# Altium PCB 充电_2020_8_2.PcbDoc
Units mil, origin at the board's own origin, x right, y up, seen from the top; angles counter-clockwise.
Board outline 2952.76 x 1968.5 mil, 2 copper layers (Top Layer, Bottom Layer); 72 components, 66 nets, 250 pads, 144 vias.
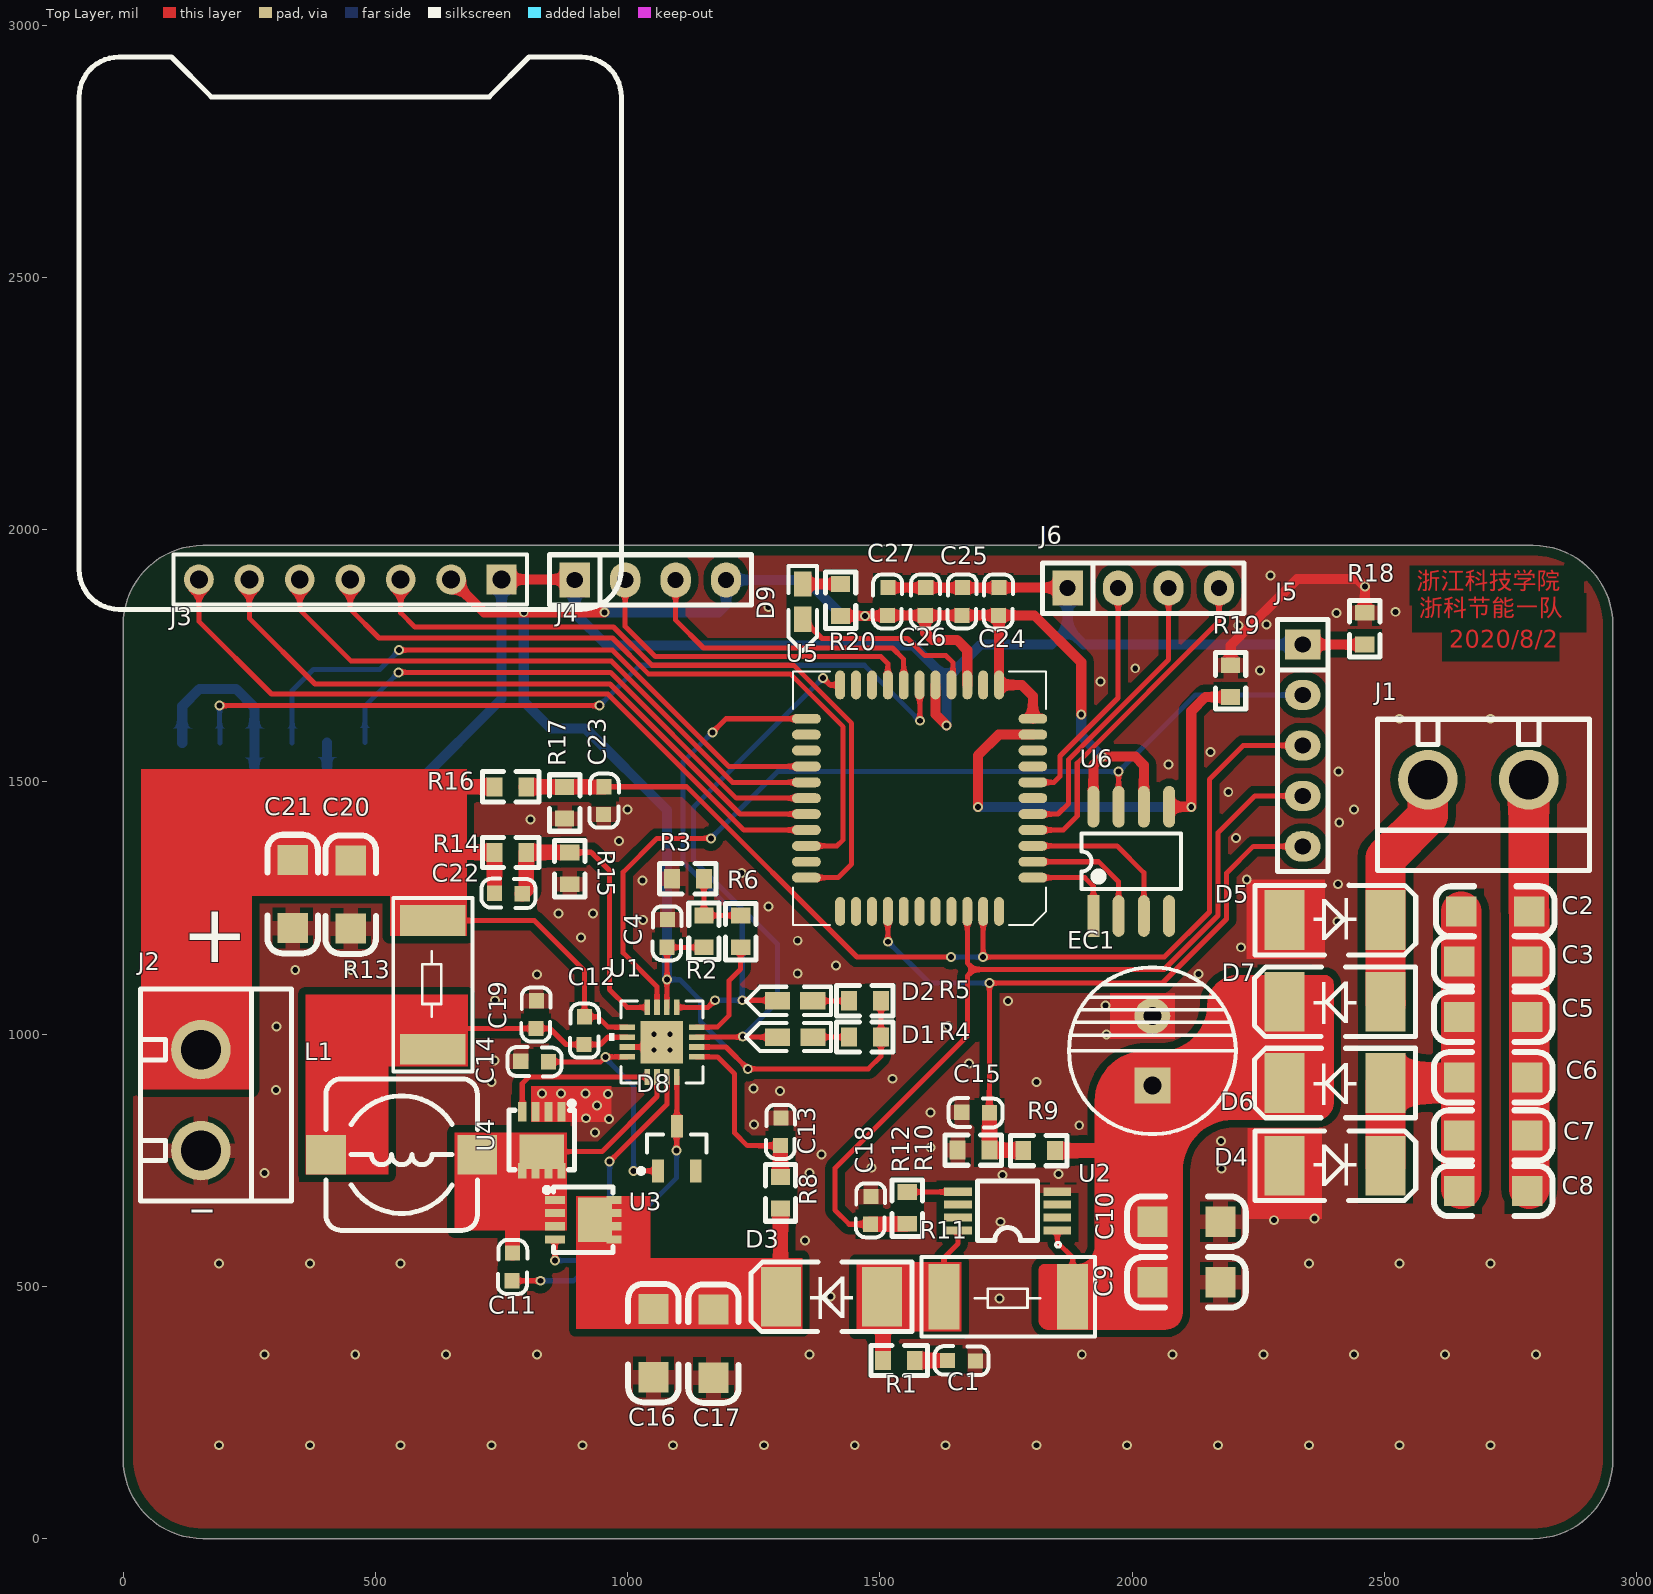
[diagram p0: Top Layer view]
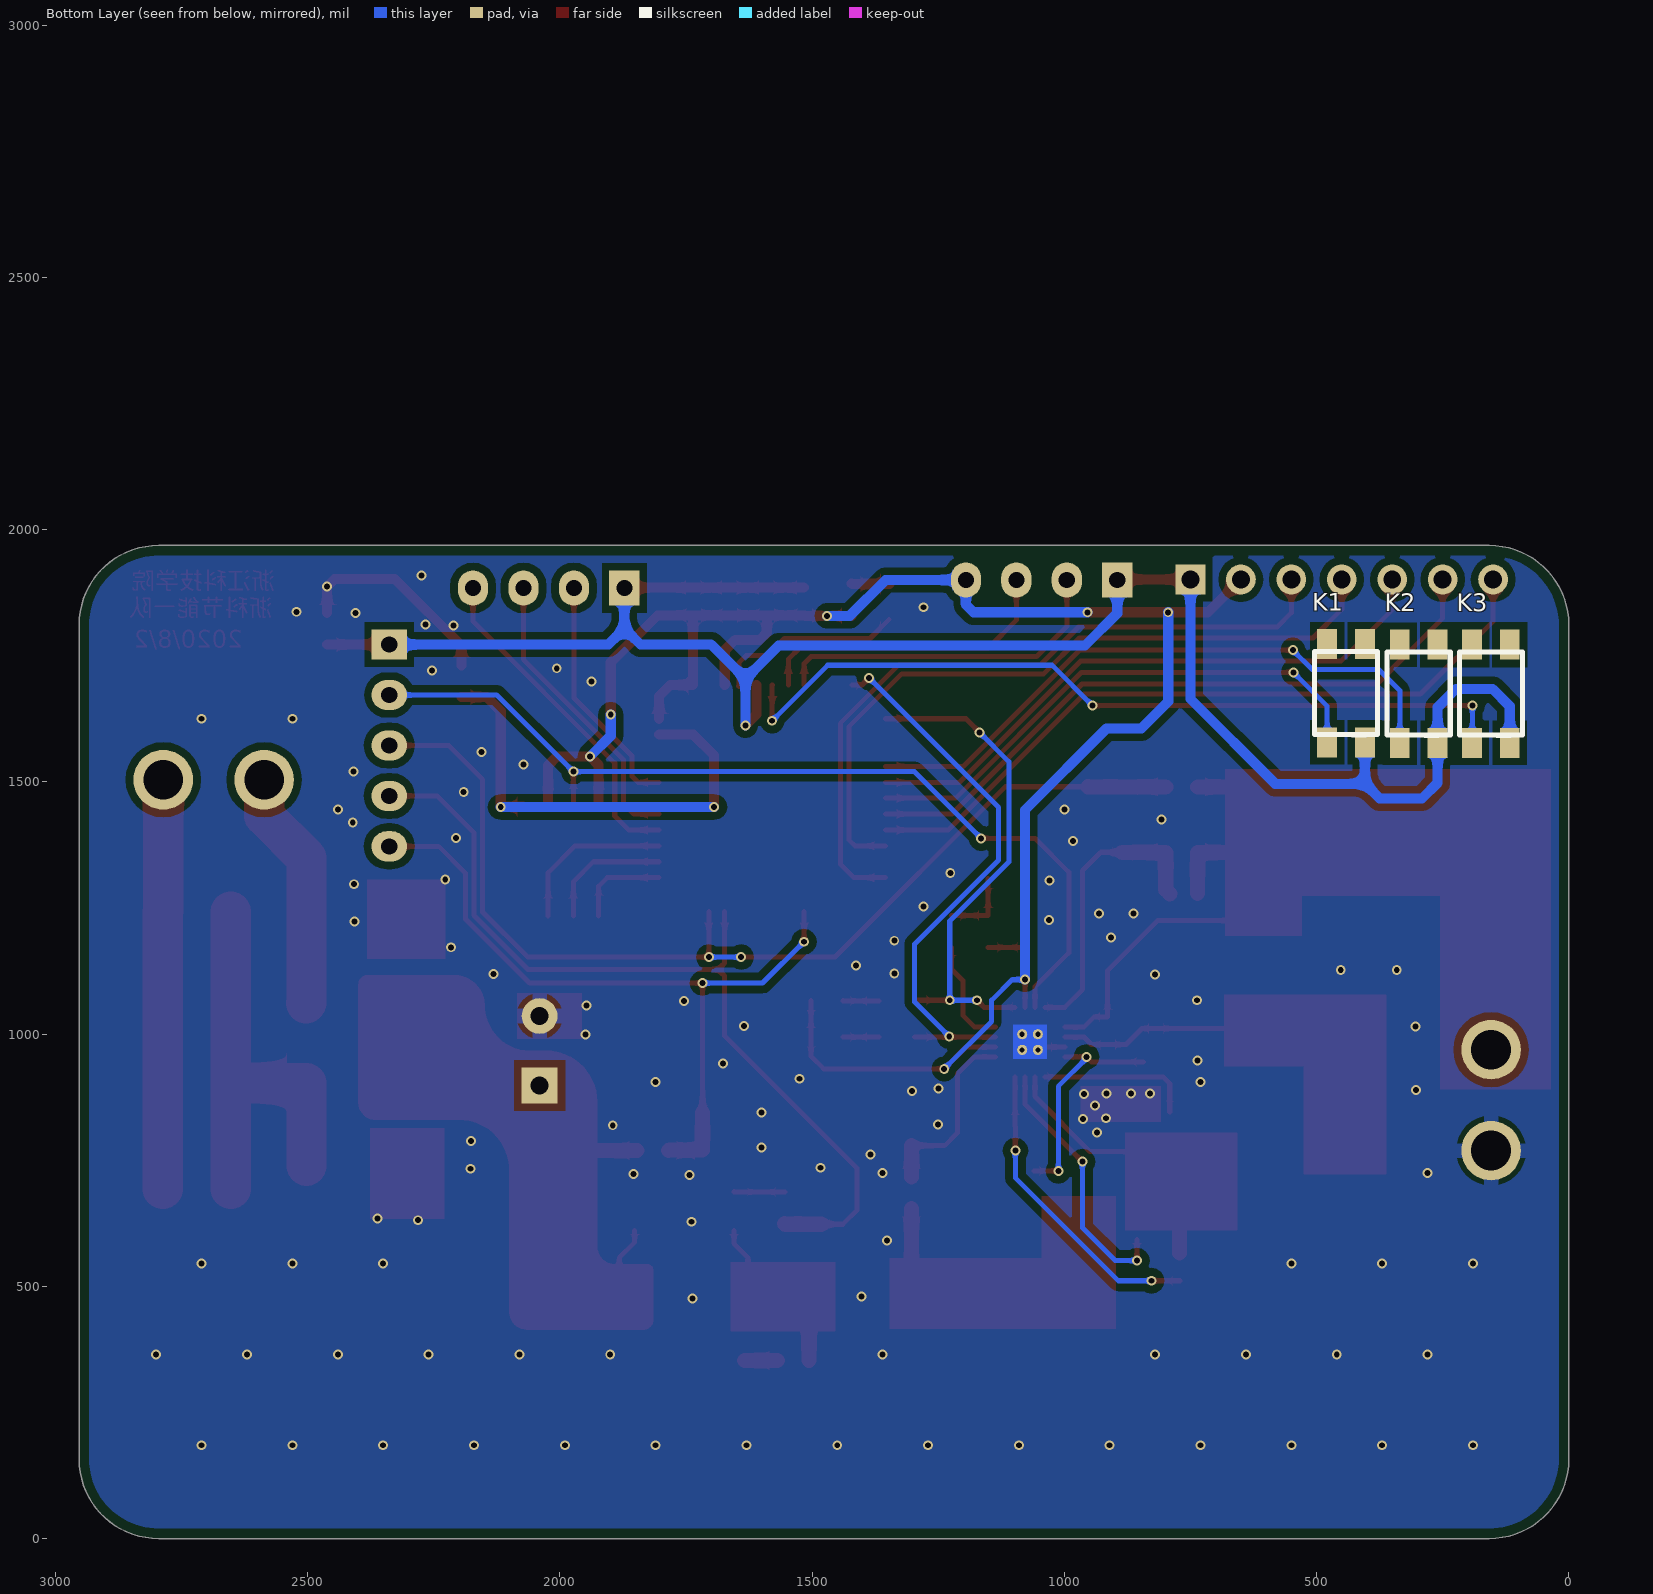
[diagram p1: Bottom Layer view, seen from below]

## Layer stack, top to bottom
Top Solder: solder mask 0.4, Solder Resist, Dk 3.5
Top Layer: signal copper 1.4
Dielectric 1: dielectric 12.6, FR-4, Dk 4.8
Bottom Layer: signal copper 1.4
Bottom Solder: solder mask 0.4, Solder Resist, Dk 3.5

## Board outline
157.48,0 cw(c157.48,157.48) 0,157.48 0,1811.02 cw(c157.48,1811.02) 157.48,1968.5 2795.28,1968.5 cw(c2795.28,1811.02) 2952.76,1811.02 2952.76,157.48 cw(c2795.28,157.48) 2795.28,0

## Design rules (kind name [scope] priority, off if disabled: settings)
BoardOutlineClearance [All] p1: gap=20 ignorepadtopadclearanceinfootprint=FALSE
Clearance Clearance_1 [InPolygon] p1: gap=15 ignorepadtopadclearanceinfootprint=TRUE
Clearance [All] p2: gap=7 ignorepadtopadclearanceinfootprint=TRUE
ComponentClearance [All] p1: gap=0 collisioncheckmode=3 verticalgap=0 showdistances=FALSE
Height [All] p1: minheight=0 maxheight=99999 prefheight=500
HoleSize [All] p1: absolutevalues=TRUE maxlimit=500 minlimit=1 maxpercent=80.000 minpercent=20.000
HoleToHoleClearance [All] p1: gap=6 allowstackedmicrovias=TRUE
MinimumSolderMaskSliver [All] p1: minsoldermaskwidth=4
PolygonConnect [All] p1: thpad.connectstyle=Relief thpad.reliefconductorwidth=30 thpad.reliefentries=4 thpad.polygonreliefangle="90 Angle" thpad.airgapwidth=10 smdpad.connectstyle=Relief smdpad.reliefconductorwidth=30 smdpad.reliefentries=4 smdpad.polygonreliefangle="90 Angle" smdpad.airgapwidth=10 via.connectstyle=Direct via.reliefconductorwidth=10 via.reliefentries=4 via.polygonreliefangle="90 Angle" via.airgapwidth=10
RoutingVias [All] p1: holewidth=11.81 width=19.68 viastyle="Through Hole" minholewidth=11.81 minwidth=19.68 maxholewidth=28 maxwidth=50
SilkToSilkClearance [All] p1: silktosilkclearance=0
SilkToSolderMaskClearance [IsPad] p1: minsilkscreentomaskgap=0 clearancetoexposedcopper=TRUE
SolderMaskExpansion [All] p1: expansion=4
Width [All] p1: maxlimit=10000 minlimit=7 preferedwidth=10
23 further rules are at their usual default settings.

## Classes and differential pairs
component class 充电二板-2: C24 C25 C26 C27 D9 J3 J4 J5 J6 K1 K2 K3 R18 R19 R20 U5 U6
component class 充电二板-1: C1 C2 C3 C4 C5 C6 C7 C8 C9 C10 C11 C12 C13 C14 C15 C16 C17 C18 C19 C20 C21 C22 C23 D1 D2 D3 D4 D5 D6 D7 D8 EC1 J1 J2 L1 R1 R2 R3 R4 R5 R6 R8 R9 R10 R11 R12 R13 R14 R15 R16 R17 U1 U2 U3 U4

## Components (designator, comment, footprint, x,y, rotation, side; value= is the part's Value field where it differs from the comment)
C1 "2.2u" 0603C 1689.21,351.65 r180 top
C2 "CAP" 1206C 2652,1243 r0 top
C3 "CAP" 1206C 2648,1144 r0 top
C4 "1u" 0603C 1079.35,1227.21 r270 top
C5 "CAP" 1206C 2648,1034 r0 top
C6 "CAP" 1206C 2648,914 r0 top
C7 "CAP" 1206C 2648,799 r0 top
C8 "CAP" 1206C 2648,689 r0 top
C9 "CAP" 1206C 2175,508 r180 top
C10 "22u" 1206C 2175,628 r180 top
C11 "100n" 0603C 770.65,510.79 r90 top
C12 "100n" 0603C 913,979 r90 top
C13 "1u" 0603C 1304,834 r270 top
C14 "1u" 0603C 787.79,946.35 r0 top
C15 "100n" 0603C 1661.79,845.35 r0 top
C16 "10u" 1206C 1051,320 r90 top
C17 "10u" 1206C 1170,319 r90 top
C18 "100n" 0603C 1482.35,678.21 r270 top
C19 "100n" 0603C 819.35,1066.21 r270 top
C20 "10u" 1206C 451,1209 r90 top
C21 "10u" 1206C 336,1210 r90 top
C22 "22p" 0603C 791.2,1277.65 r180 top
C23 "100n" 0603C 952,1435 r90 top
C24 "10u" 0603C 1736,1885 r270 top
C25 "10u" 0603C 1664,1885 r270 top
C26 "10u" 0603C 1591,1885 r270 top
C27 "10u" 0603C 1516,1885 r270 top
D1 "LED" LED-0603W 1367,994.26 r180 top
D2 "LED" LED-0603W 1367,1066 r180 top
D3 "DIODE" SMA/DO-214AC 1499,479 r180 top
D4 "DIODE" SMA/DO-214AC 2307,739 r0 top
D5 "DIODE" SMA/DO-214AC 2307,1226 r0 top
D6 "DIODE" SMA/DO-214AC 2497,903 r180 top
D7 "DIODE" SMA/DO-214AC 2497,1064 r180 top
D8 "Diode BAS16" SOT-23_N 1097.43,773 r90 top
D9 "LED" LED-0603W 1346.74,1892 r270 top
EC1 "DIP_ECAP" DIP-EC3.5X8X11.5 2040,898 r90 top
J1 "KF301-2P" KF301-5.0-2P 2786,1504 r180 top
J2 "KF301-2P" KF301-5.0-2P 154,969 r270 top
J3 "OLED-0.96" OLED-0.96 450,1901 r180 top locked
J4 "Pin HDR1X4" "Pin HDR1X4/2.54mm-S" 895,1900 r90 top
J5 "Pin HDR1X5" "Pin HDR1X5/2.54mm-S" 2338,1772 r0 top
J6 "Pin HDR1X4" "Pin HDR1X4/2.54mm-S" 1872,1884 r90 top
K1 "button" button 439,1678 r90 bottom
K2 "button" button 295,1677 r90 bottom
K3 "button" button 152,1677 r90 bottom
L1 "INDUCTOR" CDRH73 552,761 r180 top
R1 "100k" 0603R 1569,353 r180 top
R2 "100k" 0603R 1151,1234.99 r270 top
R3 "100k" 0603R 1088.01,1308 r0 top
R4 "10k" 0603R 1439.01,994 r0 top
R5 "10k" 0603R 1439.01,1066 r0 top
R6 "100" 0603R 1224,1172 r90 top
R8 "10" 0603R 1303,654.01 r90 top
R9 "20k" 0603R 1784.01,769 r0 top
R10 "2k" 0603R 1654.01,770 r0 top
R11 "20m" 2512R 1630,477 r0 top
R12 "20k" 0603R 1554,624 r90 top
R13 "10m" 2512R 612,1221.89 r270 top
R14 "400k" 0603R 798.99,1360 r180 top
R15 "105k" 0603R 884.99,1297.01 r90 top
R16 "20k" 0603R 799,1490 r180 top
R17 "2k" 0603R 875,1427 r90 top
R18 "0" 0603R 2461,1772 r90 top
R19 "0" 0603R 2195,1730.99 r270 top
R20 "10k" 0603R 1422,1829 r90 top
U1 "BQ24640" BQ24640 1067.9,984.16 r180 top
U2 "AD8217" AD8127 1754,649 r180 top
U3 "SiS4120DN" SiS412DN 935,632 r270 top
U4 "SiS4120DN" SiS412DN 830,767 r180 top
U5 "STC8A8K64S4A12_LQFP44" LQFP144 1578,1465 r180 top locked
U6 "TLC5415" TLC5415 1998,1344 r90 top

## Footprints (in the part's own frame and the unit in brackets; to place one, negate y for a bottom-side part, rotate by r counter-clockwise, add the part's x,y. Pads: shape width x height; smd on the part's side, far side on the other; paste and mask are expansions set on the pad)
0603C [mil]
  rect 30x30 smd: 1(0.21,-0.35) 2(55.21,-1.35)
  silkscreen extent -26,-30 81,28, body extent -1,-15 62,17, height 12
0603R [mm]
  rect 0.8x0.965 smd: 1(0,0) 2(1.6,0)
  silkscreen extent -0.64,-0.76 2.21,0.76, body extent -0.04,-0.41 1.56,0.41, height 0.45
1206C [mil]
  rect 60x60 smd: 1(0,0) 2(135,0)
  silkscreen extent -50,-50 185,50, body extent 2,-31 128,32, height 39
2512R [mil]
  rect 61x129.92 smd: 1(-3.11,2) 2(251.89,2)
  silkscreen extent -47,-77 296,81, body extent 0,-63 249,63, height 24
AD8127 [mil]
  rect 55x16 smd: 1(-97.5,38.29) 2(-97.5,12.7) 3(-97.5,-12.89) 4(-97.5,-38.48) 5(99.5,-38.48) 6(99.5,-12.89) 7(99.5,12.7) 8(99.5,38.29)
  silkscreen extent -104,-60 61,72
BQ24640 [mm]
  rect 0.8x0.28 smd paste-0.14: 1(-1.75,0.75) 2(-1.75,0.25) 3(-1.75,-0.25) 4(-1.75,-0.75) 9(1.75,-0.75) 10(1.75,-0.25) 11(1.75,0.25) 12(1.75,0.75)
  rect 0.28x0.8 smd paste-0.14: 5(-0.75,-1.75) 6(-0.25,-1.75) 7(0.25,-1.75) 8(0.75,-1.75) 13(0.75,1.75) 14(0.25,1.75) 15(-0.25,1.75) 16(-0.75,1.75)
  rect 2.14x2.14 smd paste-1.057 mask-1.054: 17(0,0)
  round 0.508 / inner round 1.524 / far side round 0.508 hole 0.254: V(-0.394,0.394) V(-0.394,-0.394) V(0.394,0.394) V(0.394,-0.394)
  silkscreen extent -2.06,-2.06 2.66,2.06, body extent -1.85,-1.85 1.85,1.85, height 1.4
button [mm]
  rect 1.5x1 smd: 1(-2.54,-0.889) 2(-2.54,1.016) 3(2.413,1.016)
  rect 1.5x1 smd paste+0: 1(2.413,-0.889)
  silkscreen extent -2.16,-1.52 2.03,1.65, body extent -2.16,-1.52 2.03,1.65, height 2.54
CDRH73 [mm] "7.3*7.3*3.4mm（长宽高）"
  rect 2x2 smd: 1(-3.81,0) 2(3.81,0)
  silkscreen extent -3.81,-3.81 3.81,3.81, body extent -3.49,-3.65 3.81,3.65, height 3.65
DIP-EC3.5X8X11.5 [mm]
  rect 1.8x1.8 hole 0.9: 1(0,0)
  round 1.8 hole 0.9: 2(3.5,0)
  silkscreen extent -2.45,-4.2 5.95,4.2, body extent -2.25,-4 5.75,4, height 11.53
KF301-5.0-2P [mm] "可拼接端子/6A"
  round 3 hole 2: 1(0,0) 2(5.08,0)
  silkscreen extent -3.05,-3.05 7.62,4.57, body extent -3,-3.09 7.5,4.51, height 10.05
LED-0603W [mil]
  rect 50x35 smd: A(0,0.26) K(70,0.26)
  silkscreen extent -36,-28 133,28, body extent 4,-15 66,17, height 24
LQFP144 [mm]
  oval 1.45x0.5 smd: 1(-5.715,3.937) 2(-5.715,3.137) 3(-5.715,2.337) 4(-5.715,1.537) 5(-5.715,0.737) 6(-5.715,-0.063) 7(-5.715,-0.863) 8(-5.715,-1.663) 9(-5.715,-2.463) 10(-5.715,-3.263) 11(-5.715,-4.063) 23(5.685,-4.063) 24(5.685,-3.263) 25(5.685,-2.463) 26(5.685,-1.663) 27(5.685,-0.863) 28(5.685,-0.063) 29(5.685,0.737) 30(5.685,1.537) 31(5.685,2.337) 32(5.685,3.137) 33(5.685,3.937)
  oval 0.5x1.45 smd: 12(-4.015,-5.763) 13(-3.215,-5.763) 14(-2.415,-5.763) 15(-1.615,-5.763) 16(-0.815,-5.763) 17(-0.015,-5.763) 18(0.785,-5.763) 19(1.585,-5.763) 20(2.385,-5.763) 21(3.185,-5.763) 22(3.985,-5.763) 34(3.985,5.637) 35(3.185,5.637) 36(2.385,5.637) 37(1.585,5.637) 38(0.785,5.637) 39(-0.015,5.637) 40(-0.815,5.637) 41(-1.615,5.637) 42(-2.415,5.637) 43(-3.215,5.637) 44(-4.015,5.637)
  silkscreen extent -6.39,-6.44 6.36,6.31
OLED-0.96 [mm]
  rect 1.5x1.5 hole 0.9: 1(-7.62,0)
  round 1.5 hole 0.9: 2(-5.08,0) 3(-2.54,0) 4(0,0) 5(2.54,0) 6(5.08,0) 7(7.62,0)
  silkscreen extent -13.65,-26.3 13.65,1.5, body extent -13.63,-26.29 13.67,1.51, height 14.9
"Pin HDR1X4/2.54mm-S" [mil]
  rect 70x60 hole 32: 1(0,0)
  oval 70x60 hole 32: 2(0,-100) 3(0,-200) 4(0,-300)
  silkscreen extent -50,-350 50,50, body extent -50,-350 50,50, height 336
"Pin HDR1X5/2.54mm-S" [mil]
  rect 70x60 hole 32: 1(0,0)
  oval 70x60 hole 32: 2(0,-100) 3(0,-200) 4(0,-300) 5(0,-400)
  silkscreen extent -50,-450 50,50, body extent -50,-450 50,50, height 336
SiS412DN [mil]
  rect 16x39 smd: 1(-39,-79) 2(-13,-79) 3(13,-79) 4(39,-79)
  rect 16x30 smd: 5(39,38) 6(13,38) 7(-13,38) 8(-39,38)
  rect 88x68 smd: 8(0,0)
  silkscreen extent -65,-100 65,36
SMA/DO-214AC [mm] "塑封二极管"
  rect 2x3 smd: A(-0.127,0) K(4.953,0)
  silkscreen extent -1.63,-1.75 6.48,1.75, body extent 0.11,-1.35 4.71,1.35, height 2.4
SOT-23_N [mm] "SOT23, 3-Leads, Body 2.9x1.3mm, Pitch 0.95mm, Lead Span 2.5mm, IPC Medium Density"
  rect 1.15x0.6 smd: 1(-1.125,0.95) 2(-1.125,-0.95) 3(1.125,0)
  silkscreen extent -1.25,-1.5 0.7,1.92, body extent -0.7,-1.5 0.7,1.5, height 1.1
TLC5415 [mm]
  rect 2.1x0.6 smd: 1(-2.794,1.905)
  oval 2.1x0.6 smd: 2(-2.794,0.635) 3(-2.794,-0.635) 4(-2.794,-1.905) 5(2.706,-1.905) 6(2.706,-0.635) 7(2.706,0.635) 8(2.706,1.905)
  silkscreen extent -1.44,-2.5 1.35,2.5, body extent -3,-2.54 3,2.46, height 1.9

## Part data
C1 C4 C10 C11 C12 C13 C14 C15 C16 C17 C18 C19 C20 C21 C22 C23 C24 C25 C26 C27: library part CAP, "无极性电容"
C2 C3 C5 C6 C7 C8 C9: "无极性电容"
D3 D4 D5 D6 D7: "普通二极管"
D8: "Silicon Switching Diode for High-Speed Switching", ComponentLink1Description="Manufacturer Link", ComponentLink1URL=http://www.infineon.com/, ComponentLink2Description=Datasheet, ComponentLink2URL=http://www.infineon.com/upload/Document/cmc_upload/documents/012/5331/bas16series.pdf, DatasheetVersion=Oct-1999, LatestRevisionDate=29-May-2009, LatestRevisionNote="IPC-7351 Footprint Added.", Note="Pin 2 is not connected and not drawn.", PackageDescription="3-Pin SOT-23 Package 0.95 mm Pitch, 2.5 mm Lead Span", PackageReference=SOT-23, PackageVersion=Sep-2001, Published=21-Mar-2003, Publisher="Altium Limited"
EC1: "直插电解电容"
R1 R2 R3 R4 R5 R6 R8 R9 R10 R11 R12 R13 R14 R15 R16 R17 R18 R19 R20: library part RES

## Via types
v1: diameter 19.68, hole 11.81, Top Layer to Bottom Layer, tented both sides, 104 vias
v2: diameter 19.68/19.68 (per signal layer), hole 11.81, Top Layer to Bottom Layer, tented both sides, 40 vias

## Nets (pads, with @x,y where several pads share a name; then routed paths per layer and width w, separated by ;. In a path a pad name is that pad's centre, name@x,y a point inside that pad or via, vN(x,y) a via of type N, cw(c..) or ccw(c..) an arc to the next point about the centre after c; other vN are vias at no path point)
+40V: D3.A R1.2 R11.1 U2.8 | length 270
  Top Layer w10: D3.A D3.A@1506.01,476.99 ; R11.1 1626.89,556.89 1654.5,584.5 U2.8
  Top Layer w30: R1.2 D3.A@1506.01,476.99
AGND: R19.2 U5.10 U6.5 | length 975
  Top Layer w20: v1(1694,1450) 1694,1552 1735.46,1593.46 U5.10 ; U6.5 2116.46,1450.54 v1(2117,1450) 2117,1640 2145,1668 R19.2
  Bottom Layer w20: v1(1694,1450) v1(2117,1450)
CAP_V: C23.2 J5.3 R16.1 R17.2 U5.43 | length 2097.2
  Top Layer w10: C23.2 1116.79,1490.21 1454.43,1152.57 v1(1640.43,1152.57) ; U5.43 v1(1704.57,1152.57) 2063.57,1152.57 2153,1242 2153,1505 2220,1572 J5.3
  Top Layer w30: R16.1 R17.2 953.13,1489.99 C23.2
  Bottom Layer w10: v1(1640.43,1152.57) v1(1704.57,1152.57)
DGND: C24.1 C25.1 C26.1 C27.1 J3.1 J4.1 J5.1 J6.1 K1.1@404,1578 K2.1@260,1577 K3.1@117,1577 R18.1 U5.16 | length 3802
  Top Layer w20: J3.1 894,1901 J4.1 ; C27.1 C26.1 C25.1 C24.1 1871.21,1884.79 J6.1 ; U5.16 1610.09,1633.91 v1(1632,1612) ; J5.1 R18.1
  Bottom Layer w20: K3.1@117,1577 117,1650 151,1684 224,1684 260,1648 260,1577 260,1498 291,1467 375,1467 404,1496 ; K1.1@404,1578 404,1496 ; J3.1 750,1664 582,1496 404,1496 ; J4.1 895,1834 959,1770 1566,1770 1632,1704 ; v1(1632,1612) 1632,1704 ; J6.1 1872,1804 ; J5.1 1904,1772 1872,1804 ; 1632,1704 1700,1772 1840,1772 1872,1804
GND: C1.1 C4.1 C9.1 C10.1 C13.1 C14.1 C15.1 C16.1 C17.1 C18.1 C19.1 C20.1 C21.1 C23.1 D4.A D5.A EC1.2 J2.2 R3.1 R10.1 R15.1 R17.1 R18.2 R19.1 U1.11 U1.17 U1.V U2.4 U4.1 U4.2 U4.3 | length 490.9
  Top Layer w10: U1.11 1058.06,974.32 U1.17
  Top Layer w20: R19.1 2195,1770 2327,1902 2446,1902 v1(2461,1887) R18.2
  other v1: 1737,476 1402,480 1351,591 1739,628 2281,631 2361,634 1743,721 1854,723 2177,733 1483,735 1384,761 1600,775 2176,788 934.75,805 1895,819.2 1250,821 963,832 917,833.11 1599.75,844.67 939,858 960.71,881 830.22,882 868,882 916,882 1302,887 303,889 1249,892 1525,911.39 1676.13,942 736,948 1949.31,999 304,1015 1635,1016 1947,1057 1754,1065.74 737,1067 820,1118 2131,1119 1337,1120 341,1127 452,1127 1413,1136 2215.84,1172 1337,1185 907,1191 2407,1223 1030,1226 863,1239 931,1239 1279,1253 2407.96,1297 1029,1304 2227,1306 1226,1319 982.84,1383 2206,1388.23 2410.39,1419 807,1425 2190.39,1480 2409,1520 2072,1534 2155,1559 1937,1699 2253,1721 2006,1725 2211,1810 2266,1812 2405,1835 2522,1837 1279,1846 2274,1909
  other v2: 190,185 370,185 550,185 730,185 910,185 1090,185 1270,185 1450,185 1630,185 1810,185 1990,185 2170,185 2350,185 2530,185 2710,185 280,365 460,365 640,365 820,365 1360,365 1900,365 2080,365 2260,365 2440,365 2620,365 2800,365 190,545 370,545 550,545 2350,545 2530,545 2710,545 280,725 1360,725 730,905 1810,905 1000,1445 2440,1445 2530,1625 2710,1625
HIDRV: U1.15 U3.4 | length 523.3
  Top Layer w10: v1(856,551) U3.4 ; v1(964,747) 1077.74,860.74 U1.15
  Bottom Layer w10: v1(856,551) 899,551 964,616 v1(964,747)
I_Power: C18.2 J5.4 R12.1 U5.42 | length 1756.9
  Top Layer w10: C18.2 1439,623 1411,651 1411,734 1673.08,996.08 1673.08,1115.08 1686,1128 ; U5.42 1673.08,1140.92 1686,1128 ; J5.4 2243,1472 2170,1399 2170,1234.96 2063.04,1128 1686,1128
  Top Layer w30: C18.2 1553,623 R12.1
I_SET: J5.2 U1.7 U6.7 | length 1857.6
  Top Layer w10: U1.7 1058.05,1093.95 991,1161 991,1321 1058,1388 v1(1165,1388) ; U6.7 v1(1973,1520)
  Bottom Layer w10: v1(1165,1388) 1297,1520 v1(1973,1520) 2125,1672 J5.2
IN+: C9.2 C10.2 D6.K D7.K EC1.1 R9.2 R11.2 U2.1 | length 427.7
  Top Layer w10: U2.1 1851.5,587.5 1881.89,557.11 R11.2
  Top Layer w30: R9.2 1974,769
  Top Layer w80: D7.K 2302,909 D6.K@2303,910
INPUT_VCC+: C2.2 C3.2 C5.2 C6.2 C7.2 C8.2 J1.1 | length 811.4
  Top Layer w80: J1.1 2786,1244 C2.2 C8.2@2787,693
INPUT_VCC-: D5.K D7.A J1.2 | length 478.2
  Top Layer w80: D7.A@2503,1061 2502,1062 D7.A D5.K 2502,1349 2586,1433 J1.2
LODRV: U1.13 U4.4 | length 308.9
  Top Layer w10: U4.4 791,902 804.26,915.26 U1.13
NetC1_2: C1.2 R1.1 | length 65
  Top Layer w30: R1.1 C1.2
NetC2_1: C2.1 C3.1 C5.1 C6.1 C7.1 C8.1 D4.K D6.A | length 864.6
  Top Layer w80: D4.K D6.A 2637,903 C6.1 ; C8.1@2652,693 C2.1
NetC11_1: C11.1 D8.3 U1.16 | length 610.9
  Top Layer w10: C11.1 v1(827,511) ; v1(1097,769) 1097,816.86 D8.3 U1.16
  Bottom Layer w10: v1(827,511) 893,511 1097,715 v1(1097,769)
NetC11_2: C11.2 L1.1 U1.14 U3.1 U3.2 U3.3 U4.5 U4.6 U4.7 U4.8 | length 413.4
  Top Layer w10: U4.8@830,767 949,767 1058.05,876.05 U1.14
  Top Layer w30: C11.2 772,667
NetC13_2: C13.2 R8.2 U1.1 | length 369.2
  Top Layer w10: U1.1 1178.37,954.63 1212,921 1212,804 1237.21,778.79 C13.2
  Top Layer w30: C13.2 1302.65,717.35 R8.2
NetC14_2: C14.2 D8.1 U1.12 | length 457.3
  Top Layer w10: C14.2 946.37,945 v1(956,954.63) U1.12 ; v1(1011.71,728.71) D8.1
  Bottom Layer w10: v1(956,954.63) 956,952 1011.71,896.29 v1(1011.71,728.71)
NetC16_2: C16.2 C17.2 D3.K R8.1 U3.5 U3.6 U3.7 U3.8 | length 175.4
  Top Layer w30: R8.1 1303,480 D3.K
NetD1_A: D1.A R4.1 | length 72
  Top Layer w10: D1.A R4.1
NetD2_A: D2.A R5.1 | length 72.1
  Top Layer w10: D2.A 1438.75,1065.74 R5.1
NetD9_A: D9.A R20.2 | length 75.4
  Top Layer w20: D9.A 1421,1892 R20.2@1422,1893
NetD9_K: D9.K U5.15 | length 381.1
  Top Layer w10: D9.K 1385,1784 1555,1784 1589,1750 1631,1750 1645,1736 1645,1689.31 U5.15@1645.58,1689.89
NetR2_1: R2.1 R3.2 R6.2 | length 146
  Top Layer w10: R3.2 R2.1 R6.2
NetR6_1: R6.1 U1.4 | length 218.4
  Top Layer w10: U1.4 1177.69,1013.69 1201,1037 1201,1106 1224,1129 R6.1
NetR12_2: R12.2 U2.5 | length 100.7
  Top Layer w10: R12.2 1654.01,686.99 U2.5
OUTPUT_VCC: C12.2 C20.2 C21.2 C22.2 J2.1 R13.1 R14.2 R16.2 U1.9 | length 790.1
  Top Layer w10: R13.1 815,1225 914.35,1125.65 C12.2 940.79,1034.21 961.31,1013.69 U1.9
  Top Layer w30: 638,1490 R16.2 ; 651,1360 R14.2 C22.2
P0.0: U5.36
P0.1: C15.2 J5.5 R9.1 R10.2 U5.37 | length 1480.2
  Top Layer w10: U5.37 1515.6,1183.4 v1(1516,1183) ; C15.2 v1(1717,1101) 2060.08,1101 2187,1227.92 2187,1319 2240,1372 J5.5
  Top Layer w30: C15.2 R10.2 1783.01,770 R9.1
  Bottom Layer w10: v1(1516,1183) 1598,1101 v1(1717,1101)
P0.2: U5.38
P0.3: U5.40
P0.4: U5.41
P0.7: U5.44
P1.0: U5.1 U6.1 | length 186
  Top Layer w10: U5.1 1906,1310 1923,1293 U6.1
P1.1: U5.2 U6.2 | length 254.4
  Top Layer w10: U5.2 1933.5,1341.5 1973,1302 U6.2
P1.2: U5.3 U6.3 | length 328
  Top Layer w10: U5.3 1970.01,1372.99 2023,1320 U6.3
P1.3: J6.4 U5.4 | length 667.7
  Top Layer w10: U5.4 1863.38,1404.49 1891,1432.11 1891,1537 2172,1818 J6.4
P1.4: J6.3 U5.5 | length 588.7
  Top Layer w10: U5.5 1852.98,1435.98 1874,1457 1874,1544.04 2072,1742.04 J6.3
P1.5: J6.2 U5.7 | length 479.6
  Top Layer w10: U5.7 1844.98,1498.98 1857,1511 1857,1551.08 1972,1666.08 J6.2
P1.6: U5.8
P1.7: U5.9
P2.0: J3.5 U5.27 | length 1205.9
  Top Layer w10: J3.5 350,1841 452,1739 967.83,1739 1207.86,1498.98 U5.27
P2.1: J3.6 U5.29 | length 1341.9
  Top Layer w10: J3.6 250,1824 380,1694 964.75,1694 1222.77,1435.98 U5.29
P2.2: J3.7 U5.30 | length 1458.5
  Top Layer w10: J3.7 150,1818 294,1674 960.71,1674 1230.22,1404.49 U5.30
P2.3: J3.4 U5.31 | length 1434.3
  Top Layer w10: J3.4 450,1842 507,1785 969.92,1785 1040.92,1714 1321.96,1714 1427,1608.96 1427,1385 1414.99,1372.99 U5.31
P2.4: U5.32
P2.5: J3.3 U5.33 | length 1430.7
  Top Layer w10: J3.3 550,1835 578,1807 971.96,1807 1047.96,1731 1329,1731 1444,1616 1444,1337 1417,1310 U5.33
P2.6: U5.34
P2.7: U5.35
P3.0: J4.3 U5.18 | length 614.8
  Top Layer w10: J4.3 1095,1820.43 1150.43,1765 1525,1765 1547.09,1742.91 U5.18
P3.1: J4.2 U5.19 | length 685.6
  Top Layer w10: J4.2 995,1808 1055,1748 1502,1748 1515.6,1734.4 U5.19
P3.2: U5.20
P3.3: U5.21
P3.4: D1.K U1.3 U5.22 | length 1115.4
  Top Layer w10: U1.3 D1.K ; v1(1387,1706) 1401.11,1691.89 U5.22
  Bottom Layer w10: v1(1228,995) 1297,1064 1297,1178.04 1130,1345.04 1130,1449 v1(1387,1706)
P3.5: D2.K U1.5 U5.23 | length 1006.7
  Top Layer w10: U1.5 1159.06,1053.06 v1(1173,1067) ; v1(1168,1598) 1195,1625 1354.14,1625 U5.23 ; v1(1227,1067) 1295.74,1067 D2.K
  Bottom Layer w10: v1(1168,1598) 1110,1540 1110,1341 1227,1224 v1(1227,1067) v1(1173,1067)
P3.6: U5.24
P3.7: U5.25
P4.0: K3.2 U5.17 | length 1611.8
  Top Layer w10: v1(191,1651) v1(944,1651) ; U5.17 1579,1691.48 v1(1579,1621)
  Bottom Layer w10: v1(191,1651) K3.2 ; v1(944,1651) 1024,1731 1469,1731 v1(1579,1621)
P4.1: K2.2 U5.26 | length 1251.8
  Top Layer w10: v1(547,1761) 969.88,1761 1200.4,1530.47 U5.26
  Bottom Layer w10: K2.2 335,1681 377,1723 509,1723 v1(547,1761)
P4.2: K1.2 U5.28 | length 1078.3
  Top Layer w10: v1(546,1717) 965.79,1717 1215.31,1467.48 U5.28
  Bottom Layer w10: K1.2 479,1650 v1(546,1717)
P4.3: U5.39
P4.4: U5.6
P5.4: U5.13
SR_P: C12.1 C19.2 L1.2 R13.2 U1.10 | length 421.3
  Top Layer w10: R13.2 655,1011 C19.2 846,1011 877.79,979.21 C12.1 946.21,979.21 961,994 U1.10
VFB: C22.1 R14.1 R15.2 U1.8 | length 590.3
  Top Layer w10: R15.2 928.35,1360 964,1324.35 964,1088 998.94,1053.06 U1.8
  Top Layer w30: C22.1 798.99,1286 R14.1 R15.2
VREF: C4.2 C24.2 C25.2 C26.2 C27.2 J3.2 J4.4 R2.2 R4.2 R5.2 R20.1 U1.2 U1.6 U5.11 U5.12 U5.14 U6.6 U6.8 | length 4230.9
  Top Layer w10: U1.6@1078,1053.31 U1.6 1077.74,1107.74 v1(1078,1108) C4.2 R2.2 ; U1.2 1194.68,974.32 v1(1238,931) 1477,931 1502,956 R4.2 R5.2
  Top Layer w20: J3.2 715,1836 v1(794,1836) v1(954,1836) ; R20.1 v1(1470,1829) 1513.86,1829 C27.2 C26.2 ; U5.14 1673.08,1760.92 1653,1781 1604,1781 1589.65,1795.35 C26.2 ; U5.11 1803,1670 1781.11,1691.89 U5.12 1736.07,1828.36 C24.2 ; v1(1899,1633) 1899,1737 1806.21,1829.79 C24.2 ; U6.8 1923,1533 v1(1940,1550) 2006,1550 2023,1533 U6.6 ; C26.2 C25.2 C24.2
  Bottom Layer w10: v1(1078,1108) 1103,1108 1144,1067 1144,1025 v1(1238,931)
  Bottom Layer w20: v1(794,1836) 794,1659 847,1606 916,1606 1078,1444 v1(1078,1108) ; v1(954,1836) 1180,1836 1195,1851 J4.4 1354,1900 1425,1829 v1(1470,1829) ; v1(1899,1633) 1899,1591 v1(1940,1550)
pads on no net: D8.2 K1.1@404,1773 K1.3 K2.1@260,1772 K2.3 K3.1@117,1772 K3.3 U2.2 U2.3 U2.6 U2.7 U6.4

## Polygon pours and split planes (outlines as drawn)
GND on Bottom Layer "GND_L02_P008" (solid, remove dead copper, pour order 8): 157.48,0 cw(c157.48,157.48) 0,157.48 0,1811.02 cw(c157.48,1811.02) 157.48,1968.5 2795.28,1968.5 cw(c2795.28,1811.02) 2952.76,1811.02 2952.76,157.48 cw(c2795.28,157.48) 2795.28,0
GND on Top Layer "GND_L01_P010" (solid, remove dead copper, pour order 10): 157.48,0 cw(c157.48,157.48) 0,157.48 0,1811.02 cw(c157.48,1811.02) 157.48,1968.5 2795.28,1968.5 cw(c2795.28,1811.02) 2952.76,1811.02 2952.76,157.48 cw(c2795.28,157.48) 2795.28,0

## Other copper
Top Layer:
  rectangle net GND: 2227,1149 2382,1306
  rectangle net GND: 2228.45,633 2376,814
  rectangle net GND: 1956,989.95 2084.89,1081
  rectangle net OUTPUT_VCC: 529,1194 681,1524
  rectangle net OUTPUT_VCC: 35,1274 681,1525
  rectangle net OUTPUT_VCC: 35,890 255,1525
  rectangle net GND: 808,826 968,897
  rectangle net SR_P: 361,936 683,1078
  rectangle net SR_P: 361,722 526,1015
  rectangle net NetC11_2: 657,611 880,805
  rectangle net NetC16_2: 898,415.37 1045,679
  rectangle net NetC16_2: 898,415 1346,556
  rectangle net +40V: 1453,410 1662,548
  region net IN+: 2066,414 ccw(c2066,448) 2100,448 2100,730 cw(c2200,730) 2200,830 2366,830 ccw(c2366,863) 2399,863 2399,1099 ccw(c2381,1099) 2381,1117 2208,1117 ccw(c2208,1058) 2149,1058 cw(c2058,1058) 2058,967 2026,967 ccw(c2026,867) 1926,867 1926,580 cw(c1890,580) 1890,544 1826,544 ccw(c1826,533) 1815,533 1815,432 ccw(c1833,432) 1833,414
  region net IN+: 2268,1055
  text "浙江科技学院" at 2564,1870 h60
  text "浙科节能一队" at 2569,1816 h60
  text "2020/8/2" at 2628,1754 h60
Bottom Layer:
  rectangle net GND: 1034,951 1102,1019

## Silkscreen, mask and mechanical layers (free items; w line width, h text height)
Top Overlay:
  text "+" at 115,1104 h200
  text "-" at 128,570 h200
Mechanical 1:
  the board outline again, w10